# Altium PCB Carrier.PcbDoc
Units mil, origin at the board's own origin, x right, y up, seen from the top; angles counter-clockwise.
Board outline 6299.21 x 2755.91 mil, 2 copper layers (Top Layer, Bottom Layer), stack 12.8 mil thick; 52 components, 174 nets, 473 pads, 8 vias.
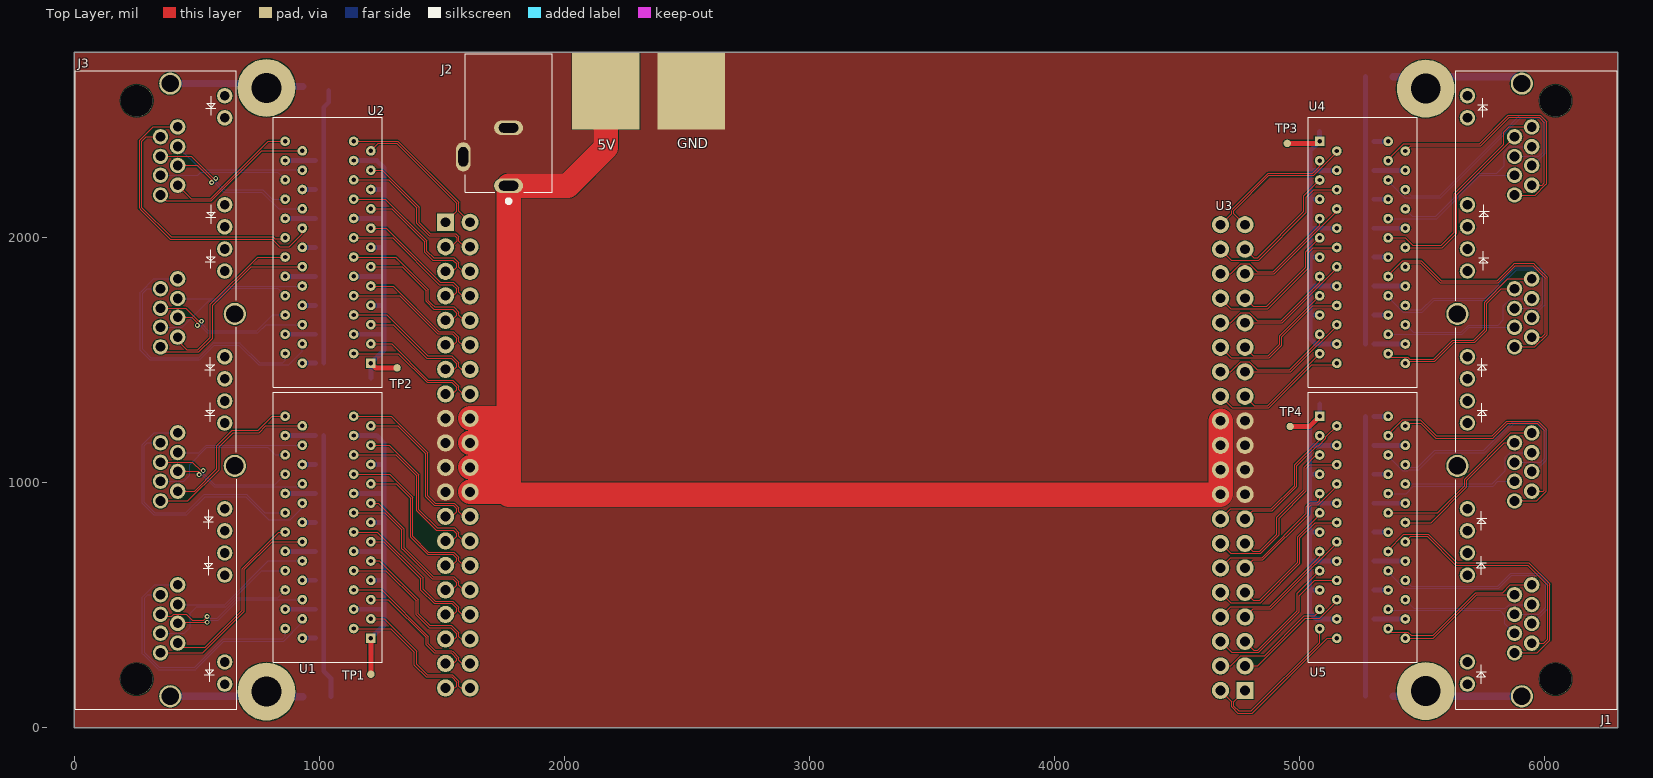
[diagram p0: Top Layer view]
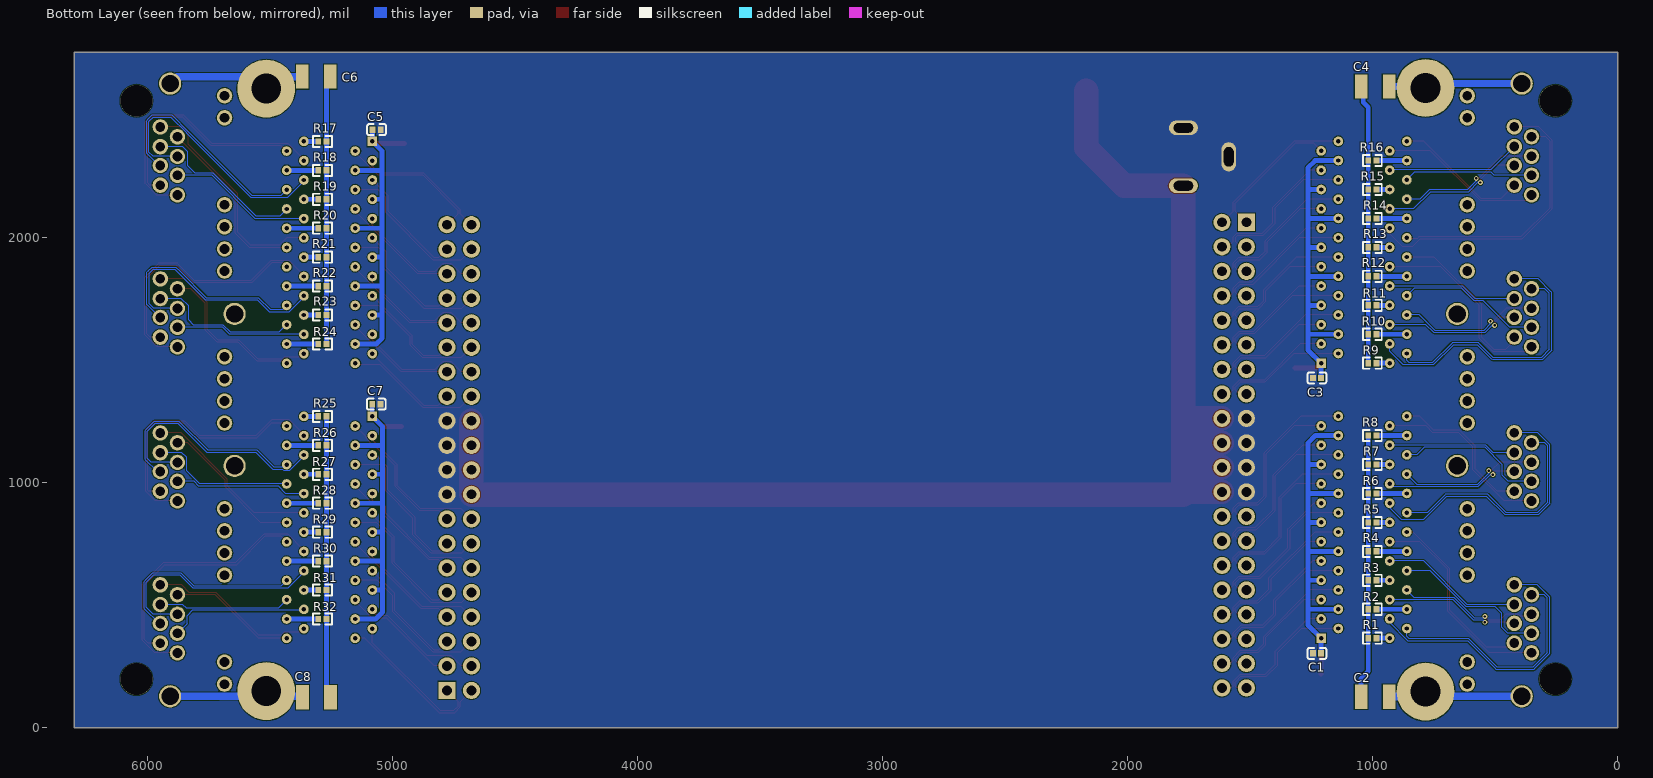
[diagram p1: Bottom Layer view, seen from below]

## Layer stack, top to bottom
Top Solder: solder mask 0.4, Solder Resist, Dk 3.5
Top Layer: signal copper 1.4
Dielectric 1: core 10, FR-4, Dk 4.2
Bottom Layer: signal copper 1.4
Bottom Solder: solder mask 0.4, Solder Resist, Dk 3.5

## Board outline
0,0 6299.21,0 6299.21,2755.91 0,2755.91

## Design rules (kind name [scope] priority, off if disabled: settings)
Clearance [All] p1: gap=3.5 ignorepadtopadclearanceinfootprint=FALSE
DiffPairsRouting 100 [InDifferentialPairClass('All Differential Pairs')] p1: maxlimit=4 minlimit=4 mostfreqgap=4 toplayer_minwidth=4.96 toplayer_maxwidth=4.96 toplayer_prefwidth=4.96 bottomlayer_minwidth=4.96 bottomlayer_maxwidth=4.96 bottomlayer_prefwidth=4.96 maxuncoupledlength=500
HoleSize [All] p1: absolutevalues=TRUE maxlimit=300 minlimit=1 maxpercent=80.000 minpercent=20.000
MinimumSolderMaskSliver [All] p1: minsoldermaskwidth=3
PolygonConnect [All] p1: connectstyle=Direct reliefconductorwidth=10 reliefentries=4 polygonreliefangle="90 Angle" airgapwidth=10
RoutingVias [All] p1: holewidth=28 width=50 viastyle="Through Hole" minholewidth=10 minwidth=20 maxholewidth=200 maxwidth=300
SilkToSilkClearance [All] p1: silktosilkclearance=0.1
SilkToSolderMaskClearance [IsPad] p1: minsilkscreentomaskgap=1 clearancetoexposedcopper=TRUE
SolderMaskExpansion [All] p1: expansion=4
Width [All] p1: maxlimit=200 minlimit=4 preferedwidth=10
25 further rules are at their usual default settings.

## Classes and differential pairs
differential pair 7D: +7D_P -7D_N
differential pair 7C: +7C_P -7C_N
differential pair 7B: +7B_P -7B_N
differential pair 7A: +7A_P -7A_N
differential pair 6D: +6D_P -6D_N
differential pair 6C: +6C_P -6C_N
differential pair 6B: +6B_P -6B_N
differential pair 6A: +6A_P -6A_N
differential pair 5D: +5D_P -5D_N
differential pair 5C: +5C_P -5C_N
differential pair 5B: +5B_P -5B_N
differential pair 5A: +5A_P -5A_N
differential pair 4D: +4D_P -4D_N
differential pair 4C: +4C_P -4C_N
differential pair 4B: +4B_P -4B_N
differential pair 4A: +4A_P -4A_N
differential pair P0A: +P0A_P -P0A_N
differential pair P0B: +P0B_P -P0B_N
differential pair P0C: +P0C_P -P0C_N
differential pair P0D: +P0D_P -P0D_N
differential pair P1A: +P1A_P -P1A_N
differential pair P1B: +P1B_P -P1B_N
differential pair P1C: +P1C_P -P1C_N
differential pair P1D: +P1D_P -P1D_N
differential pair P2A: +P2A_P -P2A_N
differential pair P2B: +P2B_P -P2B_N
differential pair P2C: +P2C_P -P2C_N
differential pair P2D: +P2D_P -P2D_N
differential pair P3A: +P3A_P -P3A_N
differential pair P3B: +P3B_P -P3B_N
differential pair P3C: +P3C_P -P3C_N
differential pair P3D: +P3D_P -P3D_N
differential pair P4A: +P4A_P -P4A_N
differential pair P4B: +P4B_P -P4B_N
differential pair P4C: +P4C_P -P4C_N
differential pair P4D: +P4D_P -P4D_N
differential pair P5A: +P5A_P -P5A_N
differential pair P5B: +P5B_P -P5B_N
differential pair P5C: +P5C_P -P5C_N
differential pair P5D: +P5D_P -P5D_N
differential pair P6A: +P6A_P -P6A_N
differential pair P6B: +P6B_P -P6B_N
differential pair P6C: +P6C_P -P6C_N
differential pair P6D: +P6D_P -P6D_N
differential pair P7A: +P7A_P -P7A_N
differential pair P7B: +P7B_P -P7B_N
differential pair P7C: +P7C_P -P7C_N
differential pair P7D: +P7D_P -P7D_N
differential pair 0A: +0A_P -0A_N
differential pair 0B: +0B_P -0B_N
differential pair 0C: +0C_P -0C_N
differential pair 0D: +0D_P -0D_N
differential pair 1A: +1A_P -1A_N
differential pair 1B: +1B_P -1B_N
differential pair 1C: +1C_P -1C_N
differential pair 1D: +1D_P -1D_N
differential pair 2A: +2A_P -2A_N
differential pair 2B: +2B_P -2B_N
differential pair 2C: +2C_P -2C_N
differential pair 2D: +2D_P -2D_N
differential pair 3A: +3A_P -3A_N
differential pair 3B: +3B_P -3B_N
differential pair 3C: +3C_P -3C_N
differential pair 3D: +3D_P -3D_N

## Components (designator, comment, footprint, x,y, rotation, side; value= is the part's Value field where it differs from the comment)
C1 "100nF (104) 10% 16V" 0402_C 1228,303 r180 bottom
C2 "Cap 1210" CAP1210N 991,126 r0 bottom value=1000pF
C3 "100nF (104) 10% 16V" 0402_C 1228,1427 r180 bottom
C4 "Cap 1210" CAP1210N 991,2616 r0 bottom value=1000pF
C5 "100nF (104) 10% 16V" 0402_C 5065,2440 r0 bottom
C6 "Cap 1210" CAP1210N 5311,2656 r180 bottom value=1000pF
C7 "100nF (104) 10% 16V" 0402_C 5066,1320 r0 bottom
C8 "Cap 1210" CAP1210N 5310,124 r180 bottom value=1000pF
J1 "RJ45_1x4" RJ45-2-5406552-0 5797,1377.95 r90 top
J2 "PJ-102AH" CUI_PJ-102AH 1773,2467 r90 top
J3 "RJ45_1x4" RJ45-2-5406552-0 503,1377.95 r270 top locked
R1 "75Ω (75R0) ±1%" 0402_R 1002,365 r0 bottom
R2 "75Ω (75R0) ±1%" 0402_R 1002,483.11 r0 bottom
R3 "75Ω (75R0) ±1%" 0402_R 1002,601.22 r0 bottom
R4 "75Ω (75R0) ±1%" 0402_R 1002,719.33 r0 bottom
R5 "75Ω (75R0) ±1%" 0402_R 1002,837.44 r0 bottom
R6 "75Ω (75R0) ±1%" 0402_R 1002,955.55 r0 bottom
R7 "75Ω (75R0) ±1%" 0402_R 1002,1073.66 r0 bottom
R8 "75Ω (75R0) ±1%" 0402_R 1002,1191.77 r0 bottom
R9 "75Ω (75R0) ±1%" 0402_R 1002,1487 r0 bottom
R10 "75Ω (75R0) ±1%" 0402_R 1002,1605.14 r0 bottom
R11 "75Ω (75R0) ±1%" 0402_R 1002,1723.29 r0 bottom
R12 "75Ω (75R0) ±1%" 0402_R 1002,1841.43 r0 bottom
R13 "75Ω (75R0) ±1%" 0402_R 1002,1959.57 r0 bottom
R14 "75Ω (75R0) ±1%" 0402_R 1002,2077.71 r0 bottom
R15 "75Ω (75R0) ±1%" 0402_R 1002,2195.86 r0 bottom
R16 "75Ω (75R0) ±1%" 0402_R 1002,2314 r0 bottom
R17 "75Ω (75R0) ±1%" 0402_R 5286,2392 r180 bottom
R18 "75Ω (75R0) ±1%" 0402_R 5286,2273.89 r180 bottom
R19 "75Ω (75R0) ±1%" 0402_R 5286,2155.78 r180 bottom
R20 "75Ω (75R0) ±1%" 0402_R 5286,2037.67 r180 bottom
R21 "75Ω (75R0) ±1%" 0402_R 5286,1919.56 r180 bottom
R22 "75Ω (75R0) ±1%" 0402_R 5286,1801.45 r180 bottom
R23 "75Ω (75R0) ±1%" 0402_R 5286,1683.34 r180 bottom
R24 "75Ω (75R0) ±1%" 0402_R 5286,1565.23 r180 bottom
R25 "75Ω (75R0) ±1%" 0402_R 5286,1270 r180 bottom
R26 "75Ω (75R0) ±1%" 0402_R 5286,1151.89 r180 bottom
R27 "75Ω (75R0) ±1%" 0402_R 5286,1033.78 r180 bottom
R28 "75Ω (75R0) ±1%" 0402_R 5286,915.67 r180 bottom
R29 "75Ω (75R0) ±1%" 0402_R 5286,797.56 r180 bottom
R30 "75Ω (75R0) ±1%" 0402_R 5286,679.45 r180 bottom
R31 "75Ω (75R0) ±1%" 0402_R 5286,561.34 r180 bottom
R32 "75Ω (75R0) ±1%" 0402_R 5286,443.23 r180 bottom
TP1 "Test Point, 30mil" test_point_30_mil 1211,218 r270 top
TP2 "Test Point, 30mil" test_point_30_mil 1318,1468 r270 top
TP3 "Test Point, 30mil" test_point_30_mil 4950,2384 r270 top
TP4 "Test Point, 30mil" test_point_30_mil 4962,1229 r270 top
U1 "QD48A01P" QD48A01P 1211,365 r90 top locked
U2 "QD48A01P" QD48A01P 1211,1487 r90 top locked
U3 "Switchcore" SwitchCore 1515.75,2062 r0 top locked
U4 "QD48A01P" QD48A01P 5082,2392 r270 top locked
U5 "QD48A01P" QD48A01P 5082,1270 r270 top locked

## Footprints (in the part's own frame and the unit in brackets; to place one, negate y for a bottom-side part, rotate by r counter-clockwise, add the part's x,y. Pads: shape width x height; smd on the part's side, far side on the other; paste and mask are expansions set on the pad)
0402_C [mm]
  rect 0.6x0.65 smd mask+0.051: 1(-0.425,0) 2(0.425,0)
  silkscreen extent -0.97,-0.58 0.97,0.58, body extent -0.48,-0.3 0.52,0.3, height 0.2
0402_R [mm]
  rect 0.6x0.65 smd mask+0.051: 1(-0.425,0) 2(0.425,0)
  silkscreen extent -0.97,-0.58 0.97,0.58, body extent -0.57,-0.27 0.58,0.28, height 0.41
CAP1210N [mm] "Chip Capacitor, Body 3.2x1.6mm, IPC Medium Density"
  rect 1.3x2.5 smd: 1(-1.45,0) 2(1.45,0)
  body extent -1.6,-1.25 1.6,1.25, height 1.3
CUI_PJ-102AH [mm]
  oval 1.508x3.016 hole 1 slot 2 at 90 deg: 1(-6.5,0) 2(-0.5,0)
  oval 3.016x1.508 hole 1 slot 2 at 0 deg: 3(-3.5,4.7)
  silkscreen extent -8.3,-4.5 7.2,4.5, body extent -7.25,-4.46 7.15,4.94, height 11
QD48A01P [mm]
  rect 1x1 hole 0.45: 1(0,0)
  round 1 hole 0.45: 2(1,1.78) 3(2,0) 4(3,1.78) 5(4,0) 6(5,1.78) 7(6,0) 8(7,1.78) 9(8,0) 10(9,1.78) 11(10,0) 12(11,1.78) 13(12,0) 14(13,1.78) 15(14,0) 16(15,1.78) 17(16,0) 18(17,1.78) 19(18,0) 20(19,1.78) 21(20,0) 22(21,1.78) 23(22,0) 24(23,1.78) 25(23,8.88) 26(22,7.1) 27(21,8.88) 28(20,7.1) 29(19,8.88) 30(18,7.1) 31(17,8.88) 32(16,7.1) 33(15,8.88) 34(14,7.1) 35(13,8.88) 36(12,7.1) 37(11,8.88) 38(10,7.1) 39(9,8.88) 40(8,7.1) 41(7,8.88) 42(6,7.1) 43(5,8.88) 44(4,7.1) 45(3,8.88) 46(2,7.1) 47(1,8.88) 48(0,7.1)
  silkscreen extent -2.5,-1.2 25.5,10.1, body extent -2.5,-1.2 25.5,10.07, height 11
RJ45-2-5406552-0 [mm]
  round 1.6 hole 1: A1(-20.206,-3.82) A2(-21.224,-2.04) A3(-22.245,-3.82) A4(-23.264,-2.04) A5(-24.199,-3.82) A6(-25.22,-2.04) A7(-26.238,-3.82) A8(-27.257,-2.04) A9(-19.19,2.84) A10(-16.899,2.84) A11(-28.194,2.84) A12(-30.485,2.84) B1(-4.458,-3.82) B2(-5.476,-2.04) B3(-6.497,-3.82) B4(-7.516,-2.04) B5(-8.451,-3.82) B6(-9.472,-2.04) B7(-10.49,-3.82) B8(-11.509,-2.04) B9(-3.434,2.84) B10(-1.146,2.84) B11(-12.319,2.84) B12(-14.61,2.84) C1(11.504,-3.82) C2(10.486,-2.04) C3(9.465,-3.82) C4(8.446,-2.04) C5(7.511,-3.82) C6(6.49,-2.04) C7(5.472,-3.82) C8(4.453,-2.04) C9(12.319,2.84) C10(14.61,2.84) C11(3.434,2.84) C12(1.146,2.84) D1(27.252,-3.82) D2(26.234,-2.04) D3(25.213,-3.82) D4(24.194,-2.04) D5(23.259,-3.82) D6(22.238,-2.04) D7(21.22,-3.82) D8(20.201,-2.04) D9(28.194,2.84) D10(30.485,2.84) D11(19.19,2.84) D12(16.899,2.84)
  round 3.3 hole 3.3: M1(-29.969,-6.289) M2(29.969,-6.289)
  round 2.3 hole 1.8: M3(-31.75,-2.802) M4(31.75,-2.802) M5(-7.874,3.881) M6(7.874,3.881)
  silkscreen extent -33.09,-12.67 33.08,4.06, body extent -32.95,-12.67 33.01,4.05, height 14.71
SwitchCore [mil]
  rect 70x70 hole 40.16: A1(0,0) B1(3262,-1910)
  round 70 hole 40.16: A2(100,0) A3(0,-100) A4(100,-100) A5(0,-200) A6(100,-200) A7(0,-300) A8(100,-300) A9(0,-400) A10(100,-400) A11(0,-500) A12(100,-500) A13(0,-600) A14(100,-600) A15(0,-700) A16(100,-700) A17(0,-800) A18(100,-800) A19(0,-900) A20(100,-900) A21(0,-1000) A22(100,-1000) A23(0,-1100) A24(100,-1100) A25(0,-1200) A26(100,-1200) A27(0,-1300) A28(100,-1300) A29(0,-1400) A30(100,-1400) A31(0,-1500) A32(100,-1500) A33(0,-1600) A34(100,-1600) A35(0,-1700) A36(100,-1700) A37(0,-1800) A38(100,-1800) A39(0,-1900) A40(100,-1900) B2(3162,-1910) B3(3262,-1810) B4(3162,-1810) B5(3262,-1710) B6(3162,-1710) B7(3262,-1610) B8(3162,-1610) B9(3262,-1510) B10(3162,-1510) B11(3262,-1410) B12(3162,-1410) B13(3262,-1310) B14(3162,-1310) B15(3262,-1210) B16(3162,-1210) B17(3262,-1110) B18(3162,-1110) B19(3262,-1010) B20(3162,-1010) B21(3262,-910) B22(3162,-910) B23(3262,-810) B24(3162,-810) B25(3262,-710) B26(3162,-710) B27(3262,-610) B28(3162,-610) B29(3262,-510) B30(3162,-510) B31(3262,-410) B32(3162,-410) B33(3262,-310) B34(3162,-310) B35(3262,-210) B36(3162,-210) B37(3262,-110) B38(3162,-110) B39(3262,-10) B40(3162,-10)
  body extent -57,-2027 3318,103, height 559
test_point_30_mil [mil]
  round 30 smd paste-15: 0(0,0)

## Part data
C1 C3 C5 C7: library part "0402 100nF (104) 10% 16V", "贴片电容", Package=0402, SuppliersPartNumber=C1525, ComponentLink1Description=供应商链接, ComponentLink1URL=http://www.szlcsc.com/product/details_1877.html, Supplier=LC
C2 C4 C6 C8: library part "CAP 1000pF ±10% 2000V (2kV) Ceramic Capacitor X7R 1210 (3225 Metric)", "CAP 1000pF ±10% 2000V (2kV) Ceramic Capacitor X7R 1210 (3225 Metric)", Manufacturer="Samsung Electro-Mechanics", Manufacturer Part Number=CL32B102KJFNNNE, Package=1210, Supplier 1 Part Number=1276-3316-6-ND, Voltage - Rated=2000V, Component Type=Standard, Mounting Type=smt, Part Number="CAP 1000pF ±10% 2000V (2kV) Ceramic Capacitor X7R 1210 (3225 Metric)", Part URL-Supplier 1=https://www.digikey.com/product-detail/en/samsung-electro-mechanics/CL32B102KJFNNNE/1276-3316-6-ND/3893831, Price Break=1000, Supplier 1=Digikey, Unit Price-Supplier 1=.34, Unit Price in Quantity=.0884, Vendor/Distributor=Digikey
J2: "2.0 mm Center Pin, 5.0 A, Right Angle, Through Hole, Tapered Pins, Dc Power Jack Connector", Package=None, CUI_purchase_URL=https://www.cui.com/product/interconnect/dc-power-connectors/jacks/2.0-mm-center-pin/pj-102ah?utm_source=snapeda.com&utm_medium=referral&utm_campaign=snapedaBOM, Digi-Key_Part_Number=CP-102AH-ND, Digi-Key_Purchase_URL=https://www.digikey.com/product-detail/en/cui-inc/PJ-102AH/CP-102AH-ND/408448?utm_source=snapeda&utm_medium=aggregator&utm_campaign=symbol, MF="CUI Inc.", MP=PJ-102AH, SnapEDA_Link=https://www.snapeda.com/parts/PJ-102AH/CUI%20Inc./view-part/?ref=snap
R1 R2 R3 R4 R5 R6 R7 R8 R9 R10 R11 R12 R13 R14 R15 R16 R17 R18 R19 R20 R21 R22 R23 R24 R25 R26 R27 R28 R29 R30 R31 R32: library part "0402 75Ω (75R0) 1%", "贴片电阻", Package=0402, SuppliersPartNumber=C25133, ComponentLink1Description=供应商链接, ComponentLink1URL=http://www.szlcsc.com/product/details_25876.html, Supplier=LC
TP1 TP2 TP3 TP4: Component Type="Standard (No BOM)", Part Number="Test Point, 30mil"

## Free pads (board coordinates)
  round 236.22 hole 122.05: 2(785,2610) 3(5515,149) 4(5515,2607) 5(785,147)
  rect 275.59x314.96 smd: 7(2170,2598) 8(2518,2599)

## Via types
v1: diameter 20, hole 10, Top Layer to Bottom Layer, tented both sides, 8 vias

## Nets (pads, with @x,y where several pads share a name; then routed paths per layer and width w, separated by ;. In a path a pad name is that pad's centre, name@x,y a point inside that pad or via, vN(x,y) a via of type N, cw(c..) or ccw(c..) an arc to the next point about the centre after c; other vN are vias at no path point)
0A_N: J3.A2 U2.25 | length 558.9
  Top Layer w4.96: J3.A2 478.23,2158 557,2158 791.51,2392.51 U2.25
0A_P: J3.A1 U2.26 | length 673.5
  Top Layer w4.96: J3.A1 377.03,2149.04 560.71,2149.04 764.81,2353.14 U2.26
0B_N: J3.A6 U2.28 | length 548.9
  Bottom Layer w4.96: J3.A6 518.22,2275.34 763.66,2275.34 763.88,2275.55 930.33,2275.55 U2.28
0B_P: J3.A3 U2.29 | length 526.7
  Bottom Layer w4.96: J3.A3 504.74,2253.74 517,2266 830.43,2266 U2.29
0C_N: J3.A5 U2.31 | length 587.8
  Top Layer w4.96: J3.A5 353.27,2331.33 477.34,2331.33 567.69,2240.98 v1(577.98,2240.98)
  Bottom Layer w4.96: v1(577.98,2240.98) 577.98,2230.7 614.84,2193.84 770.16,2193.84 808,2156 861.1,2156 U2.31
0C_P: J3.A4 U2.32 | length 588.1
  Top Layer w4.96: J3.A4 502.14,2293.86 561.36,2234.64 v1(561.36,2224.36)
  Bottom Layer w4.96: v1(561.36,2224.36) 571.64,2224.36 608.5,2187.5 611.12,2184.88 766.45,2184.88 834.41,2116.92 U2.32
0D_N: J3.A8 U2.34 | length 1229.2
  Top Layer w4.96: J3.A8 322.39,2451.06 269.66,2398.34 267.04,2395.71 267.04,2118.29 269.66,2115.66 392.29,1993.04 808.96,1993.04 839,1963 879,1963 931.47,2015.47 U2.34
0D_P: J3.A7 U2.35 | length 993.8
  Top Layer w4.96: J3.A7 294.94,2410.94 276,2392 276,2122 396,2002 813,2002 819.66,1995.34 857.92,1995.34 U2.35
1A_N: J3.B2 U2.37 | length 703.5
  Top Layer w4.96: J3.B2 422.68,1579.32 460,1542 505.04,1542 556.04,1593 556.04,1727.04 749.07,1920.07 U2.37
1A_P: J3.B1 U2.38 | length 809.9
  Top Layer w4.96: J3.B1 373.03,1533.04 508.75,1533.04 565,1589.29 565,1723.33 722.37,1880.7 U2.38
1B_N: J3.B6 U2.40 | length 530
  Bottom Layer w4.96: J3.B6 582.87,1750.87 633.96,1801.96 U2.40
1B_P: J3.B3 U2.41 | length 587.4
  Bottom Layer w4.96: J3.B3 440.74,1633.74 548.91,1741.91 586.58,1741.91 637.67,1793 830.98,1793 U2.41
1C_N: J3.B5 U2.43 | length 579.5
  Top Layer w4.96: J3.B5 353.27,1711.33 456.34,1711.33 509.69,1657.98 v1(519.98,1657.98)
  Bottom Layer w4.96: v1(519.98,1657.98) 519.98,1647.7 547.84,1619.84 745.84,1619.84 809.85,1683.85 U2.43
1C_P: J3.B4 U2.44 | length 554.8
  Top Layer w4.96: J3.B4 481.14,1673.86 503.36,1651.64 v1(503.36,1641.36)
  Bottom Layer w4.96: v1(503.36,1641.36) 513.64,1641.36 541.5,1613.5 544.12,1610.88 749.55,1610.88 752.17,1613.5 783.15,1644.48 U2.44
1D_N: J3.B8 U2.46 | length 1198.6
  Bottom Layer w4.96: J3.B8 325.39,1831.06 273.66,1779.34 271.04,1776.71 271.04,1539.29 273.66,1536.66 306.66,1503.66 309.29,1501.04 511.71,1501.04 514.34,1503.66 571.34,1560.66 672.34,1560.66 752.96,1480.04 875.04,1480.04 931.47,1536.47 U2.46
1D_P: J3.B7 U2.47 | length 994.5
  Bottom Layer w4.96: J3.B7 297.94,1790.94 280,1773 280,1543 313,1510 508,1510 565,1567 567.62,1569.62 676.05,1569.62 678.67,1567 756.67,1489 851,1489 861.39,1499.39 U2.47
2A_N: J3.C2 U1.25 | length 620.1
  Top Layer w4.96: J3.C2 492.12,965.12 583,1056 583,1149.71 646.29,1213 751,1213 808.51,1270.51 U1.25
2A_P: J3.C1 U1.26 | length 760.6
  Top Layer w4.96: J3.C1 464.71,925.04 591.96,1052.29 591.96,1146 650,1204.04 754.71,1204.04 781.81,1231.14 U1.26
2B_N: J3.C6 U1.28 | length 521.2
  Bottom Layer w4.96: J3.C6 508.44,1122.44 538.4,1152.4 U1.28
2B_P: J3.C3 U1.29 | length 604
  Bottom Layer w4.96: J3.C3 447.32,1005.32 472,1030 472,1073.33 542.11,1143.44 789.56,1143.44 819.97,1113.03 U1.29
2C_N: J3.C5 U1.31 | length 572.4
  Top Layer w4.96: J3.C5 353.27,1082.91 482.76,1082.91 518.34,1047.34 525.34,1047.34 v1(526.98,1048.98)
  Bottom Layer w4.96: v1(526.98,1048.98) 526.98,1038.7 574.67,991 818.1,991 U1.31
2C_P: J3.C4 U1.32 | length 547.8
  Top Layer w4.96: J3.C4 507.57,1045.43 512,1041 512,1034 v1(510.36,1032.36)
  Bottom Layer w4.96: v1(510.36,1032.36) 520.64,1032.36 571,982 918.55,982 U1.32
2D_N: J3.C8 U1.34 | length 1186.2
  Bottom Layer w4.96: J3.C8 326.97,1202.64 280.66,1156.34 278.04,1153.71 278.04,915.29 280.66,912.66 322.66,870.66 325.29,868.04 459.71,868.04 462.34,870.66 534.34,942.66 700.34,942.66 795,848 883,848 931.47,896.47 U1.34
2D_P: J3.C7 U1.35 | length 972.2
  Bottom Layer w4.96: J3.C7 299.52,1162.52 287,1150 287,919 329,877 456,877 528,949 530.62,951.62 704.05,951.62 706.67,949 778.86,876.81 U1.35 U1.35@861.39,860.11
3A_N: J3.D2 U1.37 | length 739.3
  Top Layer w4.96: J3.D2 438.8,329 536,329 686.04,479.04 686.04,649.04 835.07,798.07 U1.37
3A_P: J3.D1 U1.38 | length 866.4
  Top Layer w4.96: J3.D1 524.71,305.04 695,475.33 695,645.33 808.37,758.7 U1.38
3B_N: J3.D6 U1.40 | length 582.3
  Bottom Layer w4.96: J3.D6 615.44,502.44 792.96,679.96 U1.40
3B_P: J3.D3 U1.41 | length 647.9
  Bottom Layer w4.96: J3.D3 449.32,385.32 474,410 474,467 500.48,493.48 619.15,493.48 766.26,640.59 U1.41
3C_N: J3.D5 U1.43 | length 583.2
  Top Layer w4.96: J3.D5 361.35,453.5 397.75,453.5 407.16,462.91 458.09,462.91 482.04,438.96 528.46,438.96 v1(543,453.5)
  Bottom Layer w4.96: v1(543,453.5) 550.27,446.23 583.87,446.23 668.64,531 830.54,531 U1.43
3C_P: J3.D4 U1.44 | length 549
  Top Layer w4.96: J3.D4 427.25,430 v1(543,430)
  Bottom Layer w4.96: v1(543,430) 550.27,437.27 587.58,437.27 672.35,522.04 834.25,522.04 834.69,522.48 U1.44
3D_N: J3.D8 U1.46 | length 1168.6
  Bottom Layer w4.96: J3.D8 328.97,582.64 281.66,535.34 279.04,532.71 279.04,301.29 281.66,298.66 340.66,239.66 343.29,237.04 495.71,237.04 498.34,239.66 611.67,353 854.67,353 931.47,429.8 U1.46
3D_P: J3.D7 U1.47 | length 976.4
  Bottom Layer w4.96: J3.D7 301.52,542.52 288,529 288,305 347,246 492,246 607.96,361.96 850.96,361.96 861.39,372.39 U1.47
4A_N: J1.A2 U5.25 | length 519.4
  Top Layer w4.96: U5.25 5545.49,364.49 5723.36,542.36 J1.A2
4A_P: J1.A1 U5.26 | length 682.1
  Top Layer w4.96: U5.26 5375.23,390.15 5442.24,390.15 5455.39,377 5545.33,377 5719.65,551.32 5829.32,551.32 5860.44,582.44 J1.A1
4B_N: J1.A6 U5.28 | length 575.3
  Bottom Layer w4.96: U5.28 5366.09,478.04 5817,478.04 5838,457.04 5838,424.35 J1.A6
4B_P: J1.A3 U5.29 | length 536.6
  Bottom Layer w4.96: U5.29 5466.57,487 5840,487 5855.17,502.17 J1.A3
4C_N: J1.A5 U5.31 | length 828.6
  Bottom Layer w4.96: U5.31 5454.98,577.34 5809.66,577.34 5859.66,627.34 5862.29,629.96 5979.71,629.96 5982.34,627.34 6011,598.67 6013.62,596.05 6013.62,486.62 6011,484 5952.24,425.24 J1.A5
4C_P: J1.A4 U5.32 | length 951.4
  Bottom Layer w4.96: U5.32 5361.53,634.49 5427.64,568.38 5813.38,568.38 5866,621 5976,621 6004.66,592.34 6004.66,490.34 5976.38,462.05 5963.58,462.05 5962.92,462.71 5877.98,462.71 J1.A4
4D_N: J1.A8 U5.34 | length 1171.8
  Top Layer w4.96: U5.34 5361.53,724.41 5426.12,789 5524.96,789 5642,671.96 5935.71,671.96 6019.34,588.34 6021.96,585.71 6021.96,357.29 6019.34,354.66 5969.51,304.84 J1.A8
4D_P: J1.A7 U5.35 | length 965.7
  Top Layer w4.96: U5.35 5453.46,780.04 5521.25,780.04 5638.29,663 5932,663 6013,582 6013,361 5996.96,344.96 J1.A7
5A_N: J1.B2 U5.37 | length 596.3
  Top Layer w4.96: U5.37 5536.93,836.93 5682.62,982.62 5682.62,1009.62 5835.36,1162.36 J1.B2
5A_P: J1.B1 U5.38 | length 736.8
  Top Layer w4.96: U5.38 5563.63,876.3 5673.66,986.34 5673.66,1013.34 5862.77,1202.44 J1.B1
5B_N: J1.B6 U5.40 | length 536.5
  Bottom Layer w4.96: U5.40 5434.59,955.04 5465,985.45 5790.12,985.45 5809.71,1005.04 J1.B6
5B_P: J1.B3 U5.41 | length 600.9
  Bottom Layer w4.96: U5.41 5786.41,994.41 5839.84,1047.84 5839.84,1102.84 5859.17,1122.17 J1.B3
5C_N: J1.B5 U5.43 | length 875.7
  Bottom Layer w4.96: U5.43 5443.04,1061.71 5483,1061.71 5552.29,1131 5752.33,1131 5867.66,1246.34 5870.29,1248.96 5972.71,1248.96 5975.34,1246.34 6007,1214.67 6009.62,1212.05 6009.62,1094.62 6007,1092 5960.24,1045.24 J1.B5
5C_P: J1.B4 U5.44 | length 1002.9
  Bottom Layer w4.96: U5.44 5361.53,1106.93 5420.98,1047.48 5442.24,1047.48 5447.5,1052.75 5486.71,1052.75 5556,1122.04 5756.04,1122.04 5874,1240 5969,1240 6000.66,1208.34 6000.66,1098.34 5984.38,1082.05 5963.58,1082.05 5962.92,1082.71 5877.98,1082.71 J1.B4
5D_N: J1.B8 U5.46 | length 1139.8
  Top Layer w4.96: U5.46 5361.53,1196.85 5420.98,1256.3 5492.7,1256.3 5558.66,1190.34 5786.66,1190.34 5843.66,1247.34 5846.29,1249.96 5973.71,1249.96 5976.34,1247.34 6004.34,1219.34 6006.96,1216.71 6006.96,964.29 6004.34,961.66 5967.51,924.84 J1.B8
5D_P: J1.B7 U5.47 | length 929.1
  Top Layer w4.96: U5.47 5442.64,1241.66 5494.66,1241.66 5552.33,1184 5554.95,1181.38 5790.38,1181.38 5793,1184 5850,1241 5970,1241 5998,1213 5998,968 5994.96,964.96 J1.B7
6A_N: J1.C2 U4.25 | length 636.6
  Top Layer w4.96: U4.25 5440.12,1495 5551.96,1495 5629,1572.04 5714.75,1572.04 5764,1621.29 5764,1732 5822.79,1790.79 J1.C2
6A_P: J1.C1 U4.26 | length 795.2
  Top Layer w4.96: U4.26 5375.23,1512.15 5442.24,1512.15 5450.43,1503.96 5548.25,1503.96 5625.29,1581 5711.04,1581 5755.04,1625 5755.04,1735.71 5850.19,1830.87 J1.C1
6B_N: J1.C6 U4.28 | length 527.7
  Bottom Layer w4.96: U4.28 5664.6,1604.6 5693.46,1633.46 J1.C6
6B_P: J1.C3 U4.29 | length 618.9
  Bottom Layer w4.96: U4.29 5433.63,1643.97 5464.04,1613.56 5660.89,1613.56 5689.75,1642.42 5811,1642.42 5832,1663.42 5832,1721 5861.59,1750.59 J1.C3
6C_N: J1.C5 U4.31 | length 865.4
  Bottom Layer w4.96: U4.31 5449.98,1704.34 5497.66,1704.34 5546.33,1753 5757.33,1753 5865.66,1861.34 5881.63,1877.3 5982.37,1877.3 5998.34,1861.34 5999,1860.67 6001.62,1858.05 6001.62,1725.62 5999,1723 5949.66,1673.66 J1.C5
6C_P: J1.C4 U4.32 | length 988.2
  Bottom Layer w4.96: U4.32 5361.53,1756.49 5422.64,1695.38 5501.38,1695.38 5550.04,1744.04 5761.04,1744.04 5885.34,1868.34 5978.66,1868.34 5992.66,1854.34 5992.66,1729.34 5973.8,1710.47 5963.58,1710.47 5962.92,1711.14 5877.98,1711.14 J1.C4
6D_N: J1.C8 U4.34 | length 1154
  Top Layer w4.96: U4.34 5361.53,1846.41 5420.98,1905.85 5497.15,1905.85 5578.66,1824.34 5806.66,1824.34 5873.66,1891.34 5876.29,1893.96 5954.71,1893.96 5957.34,1891.34 6011,1837.67 6011,1603.99 5960.27,1553.27 J1.C8
6D_P: J1.C7 U4.35 | length 947.9
  Top Layer w4.96: U4.35 5448.31,1896.89 5493.43,1896.89 5572.33,1818 5574.95,1815.38 5810.38,1815.38 5813,1818 5880,1885 5951,1885 6002.04,1833.96 6002.04,1607.7 5987.72,1593.39 J1.C7
7A_N: J1.D2 U4.37 | length 724.5
  Top Layer w4.96: U4.37 5581.93,1958.93 5641,2018 5641,2174.47 J1.D2
7A_P: J1.D1 U4.38 | length 918.8
  Top Layer w4.96: U4.38 5430.7,1998.3 5461.11,1967.89 5578.22,1967.89 5632.04,2021.71 5632.04,2178.18 5834.19,2380.34 5834.19,2429.19 5855.87,2450.87 J1.D1
7B_N: J1.D6 U4.40 | length 588.9
  Bottom Layer w4.96: U4.40 5559.04,2077.04 5735.46,2253.46 J1.D6
7B_P: J1.D3 U4.41 | length 681.2
  Bottom Layer w4.96: U4.41 5431.61,2113.39 5459,2086 5555.33,2086 5731.75,2262.42 5804,2262.42 5835,2293.42 5835,2350 5855.59,2370.59 J1.D3
7C_N: J1.D5 U4.43 | length 934.8
  Bottom Layer w4.96: U4.43 5455.8,2170.96 5572.29,2170.96 5830.88,2429.55 5830.88,2430.02 5898.82,2497.96 5981.71,2497.96 6000,2479.67 6002.62,2477.05 6002.62,2343.62 6000,2341 5952.66,2293.66 J1.D5
7C_P: J1.D4 U4.44 | length 1057.5
  Bottom Layer w4.96: U4.44 5361.53,2228.93 5428.46,2162 5576,2162 5839.84,2425.84 5839.84,2426.31 5902.53,2489 5978,2489 5993.66,2473.34 5993.66,2347.34 5976.8,2330.47 5963.58,2330.47 5962.92,2331.14 5877.98,2331.14 J1.D4
7D_N: J1.D8 U4.46 | length 1140.6
  Top Layer w4.96: U4.46 5361.53,2318.85 5425.68,2383 5735.33,2383 5848.66,2496.34 5851.29,2498.96 5981.71,2498.96 5984.34,2496.34 6005.34,2475.34 6007.96,2472.71 6007.96,2219.29 6005.34,2216.66 5961.94,2173.27 J1.D8
7D_P: J1.D7 U4.47 | length 934.6
  Top Layer w4.96: U4.47 5453.02,2374.04 5739.04,2374.04 5855,2490 5978,2490 5999,2469 5999,2223 5989.39,2213.39 J1.D7
EARTH_GND1: C4.1 J3.M3 pad.2 | length 542.9
  Bottom Layer w30: J3.M3 392.68,2628.15 766.85,2628.15 pad.2 ; pad.2@791,2616 C4.1
EARTH_GND2: C2.1 J3.M4 pad.5 | length 671.1
  Bottom Layer w30: J3.M4 392.88,127.76 pad.5@804.24,127.76 ; pad.5@784,147 pad.5@804.24,127.76 ; 904.91,129 903.67,127.76 pad.5@804.24,127.76 ; C2.1 806,126 pad.5@804.24,127.76
EARTH_GND3: C8.1 J1.M3 pad.3 | length 524.6
  Bottom Layer w30: C8.1@5383.09,128 5383.09,127.76 5705.9,127.76 5706.14,128 J1.M3 J1.M3
EARTH_GND4: C6.1 J1.M4 pad.4 | length 535.8
  Bottom Layer w30: C6.1@5383.09,2656 5879.27,2656 J1.M4
GND: C1.1 C3.1 C5.1 C7.1 J2.2 J2.3 pad.8 U3.A17 U3.A19 U3.A21 U3.A23 U3.B17 U3.B19 U3.B21 U3.B23
NetC1_2: C1.2 TP1.0 U1.1 U1.4 U1.7 U1.10 U1.13 U1.16 U1.19 U1.22 | length 1682.2
  Top Layer w20: TP1.0 U1.1
  Bottom Layer w20: U1.4 1261.89,483.11 ; U1.10 1264.67,719.33 ; U1.16 1263.45,955.55 ; U1.22 1234.23,1191.77 1265,1161 1265,419 U1.1 ; U1.7 1258.22,601.22 ; U1.13 1261.44,837.44 ; U1.19 1264.34,1073.66 ; C1.2 U1.1@1211.27,364.73
NetC2_2: C2.2 R1.2 R2.2 R3.2 R4.2 R5.2 R6.2 R7.2 R8.2 | length 1077.9
  Bottom Layer w20: R8.2 R7.2 R6.2 R5.2 R4.2 R3.2 R2.2 R1.2 1018.73,230.27 1048.09,200.91 C2.2
NetC3_2: C3.2 TP2.0 U2.1 U2.4 U2.7 U2.10 U2.13 U2.16 U2.19 U2.22 | length 1656.4
  Top Layer w20: U2.1 1230,1468 TP2.0
  Bottom Layer w20: U2.4 1262.89,1605.11 ; U2.10 1262.67,1841.33 ; U2.16 1264.55,2077.55 ; U2.22 1235.23,2313.77 1265,2284 1265,1541 U2.1 1211,1427.27 C3.2 ; U2.7 1264.22,1723.22 ; U2.13 1264.44,1959.44 ; U2.19 1262.66,2195.66
NetC4_2: C4.2 R9.2 R10.2 R11.2 R12.2 R13.2 R14.2 R15.2 R16.2 | length 1120.5
  Bottom Layer w20: R9.2 R10.2 R11.2 R12.2 R13.2 R14.2 R15.2 R16.2 1018.73,2531 1039,2551.27 C4.2@1039,2599.09
NetC5_2: C5.2 TP3.0 U4.1 U4.4 U4.7 U4.10 U4.13 U4.16 U4.19 U4.22 | length 1545.9
  Top Layer w20: TP3.0 5074,2384 U4.1
  Bottom Layer w20: 5042.45,1801.45 U4.16 ; 5043.33,2037.67 U4.10 ; 5045.22,2155.78 U4.7 ; 5046.11,2273.89 U4.4 ; 5046.44,1919.56 U4.13 ; 5047.34,1683.34 U4.19 ; C5.2@5082,2431.73 U4.1 5042,2352 5042,1589 5065.77,1565.23 U4.22
NetC6_2: C6.2 R17.2 R18.2 R19.2 R20.2 R21.2 R22.2 R23.2 R24.2 | length 1090.9
  Bottom Layer w20: C6.2@5268.91,2656 5269.27,2655.65 R17.2 R18.2 R19.2 R20.2 R21.2 R22.2 R23.2 R24.2
NetC7_2: C7.2 TP4.0 U5.1 U5.4 U5.7 U5.10 U5.13 U5.16 U5.19 U5.22 | length 1577.4
  Top Layer w20: TP4.0 5041,1229 U5.1
  Bottom Layer w20: 5040.34,561.34 U5.19 ; 5041.22,1033.78 U5.7 ; 5042.45,679.45 U5.16 ; 5043.33,915.67 U5.10 ; 5044.56,797.56 U5.13 U5.13@5077.56,802 ; 5044.89,1151.89 U5.4 ; U5.1 5040,1228 5040,472 5068.77,443.23 U5.22 ; U5.1@5082.73,1270.73 C7.2
NetC8_2: C8.2 R25.2 R26.2 R27.2 R28.2 R29.2 R30.2 R31.2 R32.2 | length 1141.6
  Bottom Layer w20: C8.2@5268.91,128 R32.2@5268.91,442.87 ; R32.2 R31.2 R30.2 R29.2 R28.2 R27.2 R26.2 R25.2
NetR1_1: R1.1 U1.48 | length 53.8
  Bottom Layer w20: U1.48 R1.1
NetR2_1: R2.1 U1.45 | length 123.9
  Bottom Layer w20: U1.45 R2.1
NetR3_1: R3.1 U1.42 | length 53.8
  Bottom Layer w20: U1.42 R3.1
NetR4_1: R4.1 U1.39 | length 123.9
  Bottom Layer w20: U1.39 R4.1
NetR5_1: R5.1 U1.36 | length 53.8
  Bottom Layer w20: U1.36 R5.1
NetR6_1: R6.1 U1.33 | length 123.9
  Bottom Layer w20: U1.33 R6.1
NetR7_1: R7.1 U1.30 | length 53.8
  Bottom Layer w20: U1.30 R7.1
NetR8_1: R8.1 U1.27 | length 123.9
  Bottom Layer w20: U1.27 R8.1
NetR9_1: R9.1 U2.48 | length 53.8
  Bottom Layer w20: U2.48 R9.1
NetR10_1: R10.1 U2.45 | length 123.9
  Bottom Layer w20: U2.45 R10.1
NetR11_1: R11.1 U2.42 | length 53.8
  Bottom Layer w20: U2.42 985.2,1723.22 R11.1
NetR12_1: R12.1 U2.39 | length 123.9
  Bottom Layer w20: U2.39 985.17,1841.33 R12.1
NetR13_1: R13.1 U2.36 | length 53.8
  Bottom Layer w20: U2.36 985.14,1959.44 R13.1
NetR14_1: R14.1 U2.33 | length 123.9
  Bottom Layer w20: U2.33 985.11,2077.55 R14.1
NetR15_1: R15.1 U2.30 | length 53.6
  Bottom Layer w20: U2.30 R15.1@985.07,2195.66
NetR16_1: R16.1 U2.27 | length 123.6
  Bottom Layer w20: U2.27 R16.1@985.04,2313.77
NetR17_1: R17.1 U4.48 | length 58.8
  Bottom Layer w20: R17.1 U4.48
NetR18_1: R18.1 U4.45 | length 128.9
  Bottom Layer w20: R18.1 U4.45
NetR19_1: R19.1 U4.42 | length 58.8
  Bottom Layer w20: R19.1 U4.42
NetR20_1: R20.1 U4.39 | length 128.9
  Bottom Layer w20: R20.1 U4.39
NetR21_1: R21.1 U4.36 | length 58.8
  Bottom Layer w20: R21.1 U4.36
NetR22_1: R22.1 U4.33 | length 128.9
  Bottom Layer w20: R22.1 U4.33
NetR23_1: R23.1 U4.30 | length 58.8
  Bottom Layer w20: R23.1 U4.30
NetR24_1: R24.1 U4.27 | length 128.9
  Bottom Layer w20: R24.1 U4.27
NetR25_1: R25.1 U5.48 | length 58.8
  Bottom Layer w20: R25.1 U5.48
NetR26_1: R26.1 U5.45 | length 128.9
  Bottom Layer w20: R26.1 U5.45
NetR27_1: R27.1 U5.42 | length 58.8
  Bottom Layer w20: R27.1 U5.42
NetR28_1: R28.1 U5.39 | length 128.9
  Bottom Layer w20: R28.1 U5.39
NetR29_1: R29.1 U5.36 | length 58.8
  Bottom Layer w20: R29.1 U5.36
NetR30_1: R30.1 U5.33 | length 128.9
  Bottom Layer w20: R30.1 U5.33
NetR31_1: R31.1 U5.30 | length 58.8
  Bottom Layer w20: R31.1 U5.30
NetR32_1: R32.1 U5.27 | length 128.9
  Bottom Layer w20: R32.1 U5.27
P0A_N: U2.24 U3.A2 | length 633.1
  Top Layer w4.96: U2.24 1141.32,2392.91 1320.76,2392.91 1570.23,2143.44 1570.23,2107.52 U3.A2
P0A_P: U2.23 U3.A1 | length 560.8
  Top Layer w4.96: U2.23 1241.8,2383.95 1317.05,2383.95 1561.27,2139.73 1561.27,2107.52 U3.A1
P0B_N: U2.21 U3.A4 | length 581.3
  Top Layer w4.96: U2.21 1257.6,2274.4 1407.96,2124.04 1407.96,2061.04 1453,2016 1556.67,2016 1570.23,2002.44 1570.23,1985 1593.23,1962 U3.A4
P0B_P: U2.20 U3.A3 | length 695.7
  Top Layer w4.96: U2.20 1284.3,2235.03 1399,2120.33 1399,2057.33 1449.29,2007.04 1552.96,2007.04 ; U3.A3 U3.A3@1538.27,1962 ; U3.A3@1538.27,1962 1561.27,1985 ; U3.A3@1538.27,1962 1561.27,1985 ; 1552.96,2007.04 1561,1999 ; 1552.96,2007.04 1561,1999 ; 1561,1999 1561.27,1985 ; 1561,1999 1561.27,1985 ; 1561,1999 1561.27,1985
P0C_N: U2.18 U3.A6 | length 631.4
  Top Layer w4.96: U2.18 1269.38,2156.29 1439.96,1985.71 1439.96,1944.04 1467.04,1916.96 1549.71,1916.96 1570.23,1896.44 1570.23,1879 1587.23,1862 U3.A6
P0C_P: U2.17 U3.A5 | length 533.8
  Top Layer w4.96: U2.17 1296.08,2116.92 1431,1982 1431,1940.33 1463.33,1908 1546,1908 1561.27,1892.73 1561.27,1879 1544.27,1862 U3.A5
P0D_N: U2.15 U3.A8 | length 529.9
  Top Layer w4.96: U2.15 1272.82,2038.18 1494.04,1816.96 1547.71,1816.96 1570.23,1794.44 1570.23,1776 1584.23,1762 U3.A8
P0D_P: U2.14 U3.A7 | length 572.6
  Top Layer w4.96: U2.14 1299.52,1998.81 1490.33,1808 1544,1808 1561.27,1790.73 1561.27,1776 1547.27,1762 U3.A7
P1A_N: U2.12 U3.A10 | length 615.4
  Top Layer w4.96: U2.12 1311.6,1920.07 1444.96,1786.71 1444.96,1742.71 1460.34,1727.34 1470.71,1716.96 1548.71,1716.96 1551.34,1714.34 1570.23,1695.44 1570.23,1682 1590.23,1662 U3.A10
P1A_P: U2.11 U3.A9 | length 517.9
  Top Layer w4.96: U2.11 1338.3,1880.7 1436,1783 1436,1739 1467,1708 1545,1708 1561.27,1691.73 1561.27,1682 1541.27,1662 U3.A9
P1B_N: U2.9 U3.A12 | length 514.4
  Top Layer w4.96: U2.9 1302.04,1801.96 1488.04,1615.96 1546.71,1615.96 1549.34,1613.34 1570.23,1592.44 1570.23,1575 1583.23,1562 U3.A12
P1B_P: U2.8 U3.A11 | length 557
  Top Layer w4.96: U2.8 1328.74,1762.59 1484.33,1607 1543,1607 1561.27,1588.73 1561.27,1575 1548.27,1562 U3.A11
P1C_N: U2.6 U3.A14 | length 576.4
  Top Layer w4.96: U2.6 1275.82,1683.85 1442.71,1516.96 1541.71,1516.96 1570.23,1488.44 1570.23,1472 1580.23,1462 U3.A14
P1C_P: U2.5 U3.A13 | length 478.8
  Top Layer w4.96: U2.5 1302.52,1644.48 1439,1508 1538,1508 1561.27,1484.73 1561.27,1472 1551.27,1462 U3.A13
P1D_N: U2.3 U3.A16 | length 497.8
  Top Layer w4.96: U2.3 1296.26,1565.74 1444.04,1417.96 1544.98,1417.96 1570.23,1392.71 1570.23,1378 1586.23,1362 U3.A16
P1D_P: U2.2 U3.A15 | length 540.4
  Top Layer w4.96: U2.2 1322.96,1526.37 1440.33,1409 1541.27,1409 1561.27,1389 1561.27,1378 1545.27,1362 U3.A15
P2A_N: U1.24 U3.A26 | length 757.2
  Top Layer w4.96: U1.24 1294.16,1270.51 1442.96,1121.71 1442.96,946.04 1473.04,915.96 1551.71,915.96 1570.23,897.44 1570.23,880 1588.23,862 U3.A26
P2A_P: U1.23 U3.A25 | length 659.6
  Top Layer w4.96: U1.23 1320.86,1231.14 1434,1118 1434,942.33 1469.33,907 1548,907 1561.27,893.73 1561.27,880 1543.27,862 U3.A25
P2B_N: U1.21 U3.A28 | length 659.5
  Top Layer w4.96: U1.21 1286.6,1152.4 1406.96,1032.04 1406.96,889 1481,814.96 1550.98,814.96 1570.23,795.71 1570.23,780 1588.23,762 U3.A28
P2B_P: U1.20 U3.A27 | length 702.1
  Top Layer w4.96: U1.20 1313.3,1113.03 1398,1028.33 1398,885.29 1477.29,806 1547.27,806 1561.27,792 1561.27,780 1543.27,762 U3.A27
P2C_N: U1.18 U3.A30 | length 731
  Top Layer w4.96: U1.18 1287.38,1034.29 1381.96,939.71 1381.96,780.04 1446.04,715.96 1549.71,715.96 1570.23,695.44 1570.23,681 1589.23,662 U3.A30
P2C_P: U1.17 U3.A29 | length 633.5
  Top Layer w4.96: U1.17 1314.08,994.92 1373,936 1373,776.33 1442.33,707 1546,707 1561.27,691.73 1561.27,681 1542.27,662 U3.A29
P2D_N: U1.15 U3.A32 | length 605
  Top Layer w4.96: U1.15 1241.82,916.18 1344,814 1346.62,811.38 1346.62,734.34 1465,615.96 1548.71,615.96 1570.23,594.44 1570.23,580 1588.23,562 U3.A32
P2D_P: U1.14 U3.A31 | length 648.4
  Top Layer w4.96: U1.14 1268.52,876.81 1337.66,807.66 1337.66,729.34 1339,728 1340.29,728 1461.29,607 1545,607 1561.27,590.73 1561.27,580 1543.27,562 U3.A31
P3A_N: U1.12 U3.A34 | length 651
  Top Layer w4.96: U1.12 1236.6,798.07 1423.96,610.71 1423.96,565 1473,515.96 1545.71,515.96 1570.23,491.44 1570.23,474 1582.23,462 U3.A34
P3A_P: U1.11 U3.A33 | length 553.5
  Top Layer w4.96: U1.11 1263.3,758.7 1415,607 1415,561.29 1469.29,507 1542,507 1561.27,487.73 1561.27,474 1549.27,462 U3.A33
P3B_N: U1.9 U3.A36 | length 579.1
  Top Layer w4.96: U1.9 1246.04,679.96 1404.96,521.04 1404.96,464 1452,416.96 1539.98,416.96 1570.23,386.71 1570.23,371 1579.23,362 U3.A36
P3B_P: U1.8 U3.A35 | length 621.7
  Top Layer w4.96: U1.8 1272.74,640.59 1396,517.33 1396,460.29 1448.29,408 1536.27,408 1561.27,383 1561.27,371 1552.27,362 U3.A35
P3C_N: U1.6 U3.A38 | length 623.1
  Top Layer w4.96: U1.6 1254.82,561.85 1444.96,371.71 1444.96,342 1473,313.96 1541.71,313.96 1544.34,311.34 1570.23,285.44 1570.23,274 1582.23,262 U3.A38
P3C_P: U1.5 U3.A37 | length 525.6
  Top Layer w4.96: U1.5 1281.52,522.48 1436,368 1436,338.29 1469.29,305 1538,305 1561.27,281.73 1561.27,274 1549.27,262 U3.A37
P3D_N: U1.3 U3.A40 | length 564.5
  Top Layer w4.96: U1.3 1266.26,443.74 1397.96,312.04 1397.96,259 1441,215.96 1543.71,215.96 1570.23,189.44 1570.23,169 1577.23,162 U3.A40
P3D_P: U1.2 U3.A39 | length 607.1
  Top Layer w4.96: U1.2 1292.96,404.37 1389,308.33 1389,255.29 1437.29,207 1540,207 1561.27,185.73 1561.27,169 1554.27,162 U3.A39
P4A_N: U3.B2 U5.24 | length 652.4
  Top Layer w4.96: U3.B2 4723.27,106.48 4723.27,84.29 4748.52,59.04 4807.71,59.04 5113.16,364.49 U5.24
P4A_P: U3.B1 U5.23 | length 613.9
  Top Layer w4.96: U3.B1 4732.23,106.48 4732.23,88 4752.23,68 4804,68 5082,346 U5.23
P4B_N: U3.B4 U5.21 | length 504.2
  Top Layer w4.96: U3.B4 4719.79,252 4760.77,292.98 4857.31,292.98 5020.29,455.96 5063,455.96 5082,474.96 U5.21
P4B_P: U3.B3 U5.20 | length 489.4
  Top Layer w4.96: U3.B3 4829,252 5024,447 5082.7,447 5152.08,516.38 U5.20
P4C_N: U3.B6 U5.18 | length 652.5
  Top Layer w4.96: U3.B6 4722.71,307.04 4832.71,307.04 4998.96,473.29 4998.96,538 5061.67,600.71 U5.18
P4C_P: U3.B5 U5.17 | length 495
  Top Layer w4.96: U3.B5 4813.75,316 4829,316 4990,477 4990,548.08 U5.17
P4D_N: U3.B8 U5.15 | length 527.6
  Top Layer w4.96: U3.B8 4719.71,493.96 4878.96,493.96 5082,697 U5.15
P4D_P: U3.B7 U5.14 | length 504.4
  Top Layer w4.96: U3.B7 4810.75,485 4882.67,485 5064.34,666.66 5066.14,666.66 5152.08,752.6 U5.14
P5A_N: U3.B10 U5.12 | length 688.4
  Top Layer w4.96: U3.B10 4719.71,510.04 4841.71,510.04 5001.96,670.29 5001.96,774.96 5063.93,836.93 U5.12
P5A_P: U3.B9 U5.11 | length 532.3
  Top Layer w4.96: U3.B9 4810.75,519 4838,519 4993,674 4993,778.67 5082,867.67 U5.11
P5B_N: U3.B12 U5.9 | length 561.5
  Top Layer w4.96: U3.B12 4719.71,693.96 4847,693.96 5028,874.96 5028,902 5044,918 5072,918 5082,928 U5.9
P5B_P: U3.B11 U5.8 | length 537.3
  Top Layer w4.96: U3.B11 4810.75,685 4850.71,685 5036.96,871.25 5036.96,898.29 5047.71,909.04 5075.71,909.04 5078.34,911.66 5152.08,985.41 U5.8
P5C_N: U3.B14 U5.6 | length 736.2
  Top Layer w4.96: U3.B14 4718.73,711.02 4794.72,711.02 ; 4794.74,711.04 4841.71,711.04 4916.96,786.29 4916.96,855 5028,966.04 5028,1059.33 5041.82,1073.15 U5.6
P5C_P: U3.B13 U5.5 | length 575
  Top Layer w4.96: U3.B13 4809.75,720 4838,720 4908,790 4908,858.71 5019.04,969.75 5019.04,1063.04 5068.52,1112.52 U5.5
P5D_N: U3.B16 U5.3 | length 604.1
  Top Layer w4.96: U3.B16 4718.73,892.98 4794.72,892.98 ; 4794.74,892.96 4885,892.96 4980,987.96 4980,1071.67 5082,1173.67 U5.3
P5D_P: U3.B15 U5.2 | length 583.7
  Top Layer w4.96: U3.B15 4809.75,884 4888.71,884 4988.96,984.25 4988.96,1067.96 5072,1151 5078.04,1151 5107.67,1180.63 5107.67,1186.67 5151.63,1230.63 U5.2
P6A_N: U3.B26 U4.24 | length 568.9
  Top Layer w4.96: U3.B26 4724.71,1305.04 4873.85,1305.04 5050.41,1481.59 5147.18,1481.59 U4.24
P6A_P: U3.B25 U4.23 | length 407.7
  Top Layer w4.96: U3.B25 4815.75,1314 4870.14,1314 U4.23
P6B_N: U3.B28 U4.21 | length 506.8
  Top Layer w4.96: U3.B28 4719.79,1452 4760.77,1492.98 4794.72,1492.98 4826.74,1460.96 4960.29,1460.96 5082,1582.67 U4.21
P6B_P: U3.B27 U4.20 | length 457.1
  Top Layer w4.96: U3.B27 4964,1452 5074,1562 5075.7,1562 5152.08,1638.38 U4.20
P6C_N: U3.B30 U4.18 | length 601.2
  Top Layer w4.96: U3.B30 4720.71,1509.04 4876.75,1509.04 4928,1560.29 4928,1595.41 5053.8,1721.2 5150.57,1721.2 U4.18
P6C_P: U3.B29 U4.17 | length 440
  Top Layer w4.96: U3.B29 4811.75,1518 4873.04,1518 4919.04,1564 4919.04,1599.12 U4.17
P6D_N: U3.B32 U4.15 | length 522.8
  Top Layer w4.96: U3.B32 4719.79,1652 4760.77,1692.98 4794.72,1692.98 4826.74,1660.96 4925.77,1660.96 5082,1817.19 U4.15
P6D_P: U3.B31 U4.14 | length 472.1
  Top Layer w4.96: U3.B31 4929.48,1652 5152.08,1874.6 U4.14
P7A_N: U3.B34 U4.12 | length 632.5
  Top Layer w4.96: U3.B34 4719.71,1710.04 4870.71,1710.04 5034.96,1874.29 5034.96,1938.59 5055.3,1958.93 U4.12
P7A_P: U3.B33 U4.11 | length 471.3
  Top Layer w4.96: U3.B33 4810.75,1719 4867,1719 5026,1878 5026,1942.3 U4.11
P7B_N: U3.B36 U4.9 | length 540
  Top Layer w4.96: U3.B36 4719.79,1852 4760.77,1892.98 4794.72,1892.98 4826.74,1860.96 4893.29,1860.96 5082,2049.67 U4.9
P7B_P: U3.B35 U4.8 | length 489.3
  Top Layer w4.96: U3.B35 4897,1852 5152.08,2107.08 U4.8
P7C_N: U3.B38 U4.6 | length 648.2
  Top Layer w4.96: U3.B38 4721.71,1908.04 4832.71,1908.04 5026.96,2102.29 5026.96,2165 5057.11,2195.15 U4.6
P7C_P: U3.B37 U4.5 | length 488.1
  Top Layer w4.96: U3.B37 4812.75,1917 4829,1917 5018,2106 5018,2170.52 U4.5
P7D_N: U3.B40 U4.3 | length 535.8
  Top Layer w4.96: U3.B40 4723.27,2097.52 4723.27,2113.71 4871.52,2261.96 5054.32,2261.96 5082,2289.64 U4.3
P7D_P: U3.B39 U4.2 | length 600.5
  Top Layer w4.96: U3.B39 4732.23,2097.52 4732.23,2110 4875.23,2253 5058.04,2253 5152.08,2347.04 U4.2
VCC: J2.1 pad.7 U3.A18 U3.A20 U3.A22 U3.A24 U3.B18 U3.B20 U3.B22 U3.B24 | length 5749.4
  Top Layer w100: U3.A24 1762,962 ; U3.A22 1770,1062 ; U3.A20 1753,1162 ; U3.A18 1771,1262 ; pad.7 2170,2367 2014.09,2211.09 J2.1 1773,951 U3.B18@4676.75,951 ; U3.B18 U3.B20 U3.B22 U3.B24
pads on no net: J1.A9 J1.A10 J1.A11 J1.A12 J1.B9 J1.B10 J1.B11 J1.B12 J1.C9 J1.C10 J1.C11 J1.C12 J1.D9 J1.D10 J1.D11 J1.D12 J1.M1 J1.M2 J1.M5 J1.M6 J3.A9 J3.A10 J3.A11 J3.A12 J3.B9 J3.B10 J3.B11 J3.B12 J3.C9 J3.C10 J3.C11 J3.C12 J3.D9 J3.D10 J3.D11 J3.D12 J3.M1 J3.M2 J3.M5 J3.M6

## Polygon pours and split planes (outlines as drawn)
GND on Top Layer "GND_L01_P000" (solid, remove dead copper, pour order 0): 0,0 6299.21,0 6299.21,2755.91 0,2755.91
GND on Bottom Layer "GND_L02_P001" (solid, remove dead copper, pour order 1): 0,0 6299.21,0 6299.21,2755.91 0,2755.91

## Silkscreen, mask and mechanical layers (free items; w line width, h text height)
Top Overlay:
  text "GND" at 2461,2364 h40
  text "5V" at 2137,2358 h40
Mechanical 15:
  the board outline again, w5